# Altium PCB 4in1_ESC.PcbDoc (part 2 of 2)
Units mm, origin at the board's own origin, x right, y up, seen from the top; angles counter-clockwise.
Board outline 33 x 33 mm, 6 copper layers (Top Layer, VBAT, Layer 3, Layer 4, GND, Bottom Layer), stack 0.816 mm thick; 176 components, 154 nets, 767 pads, 335 vias.
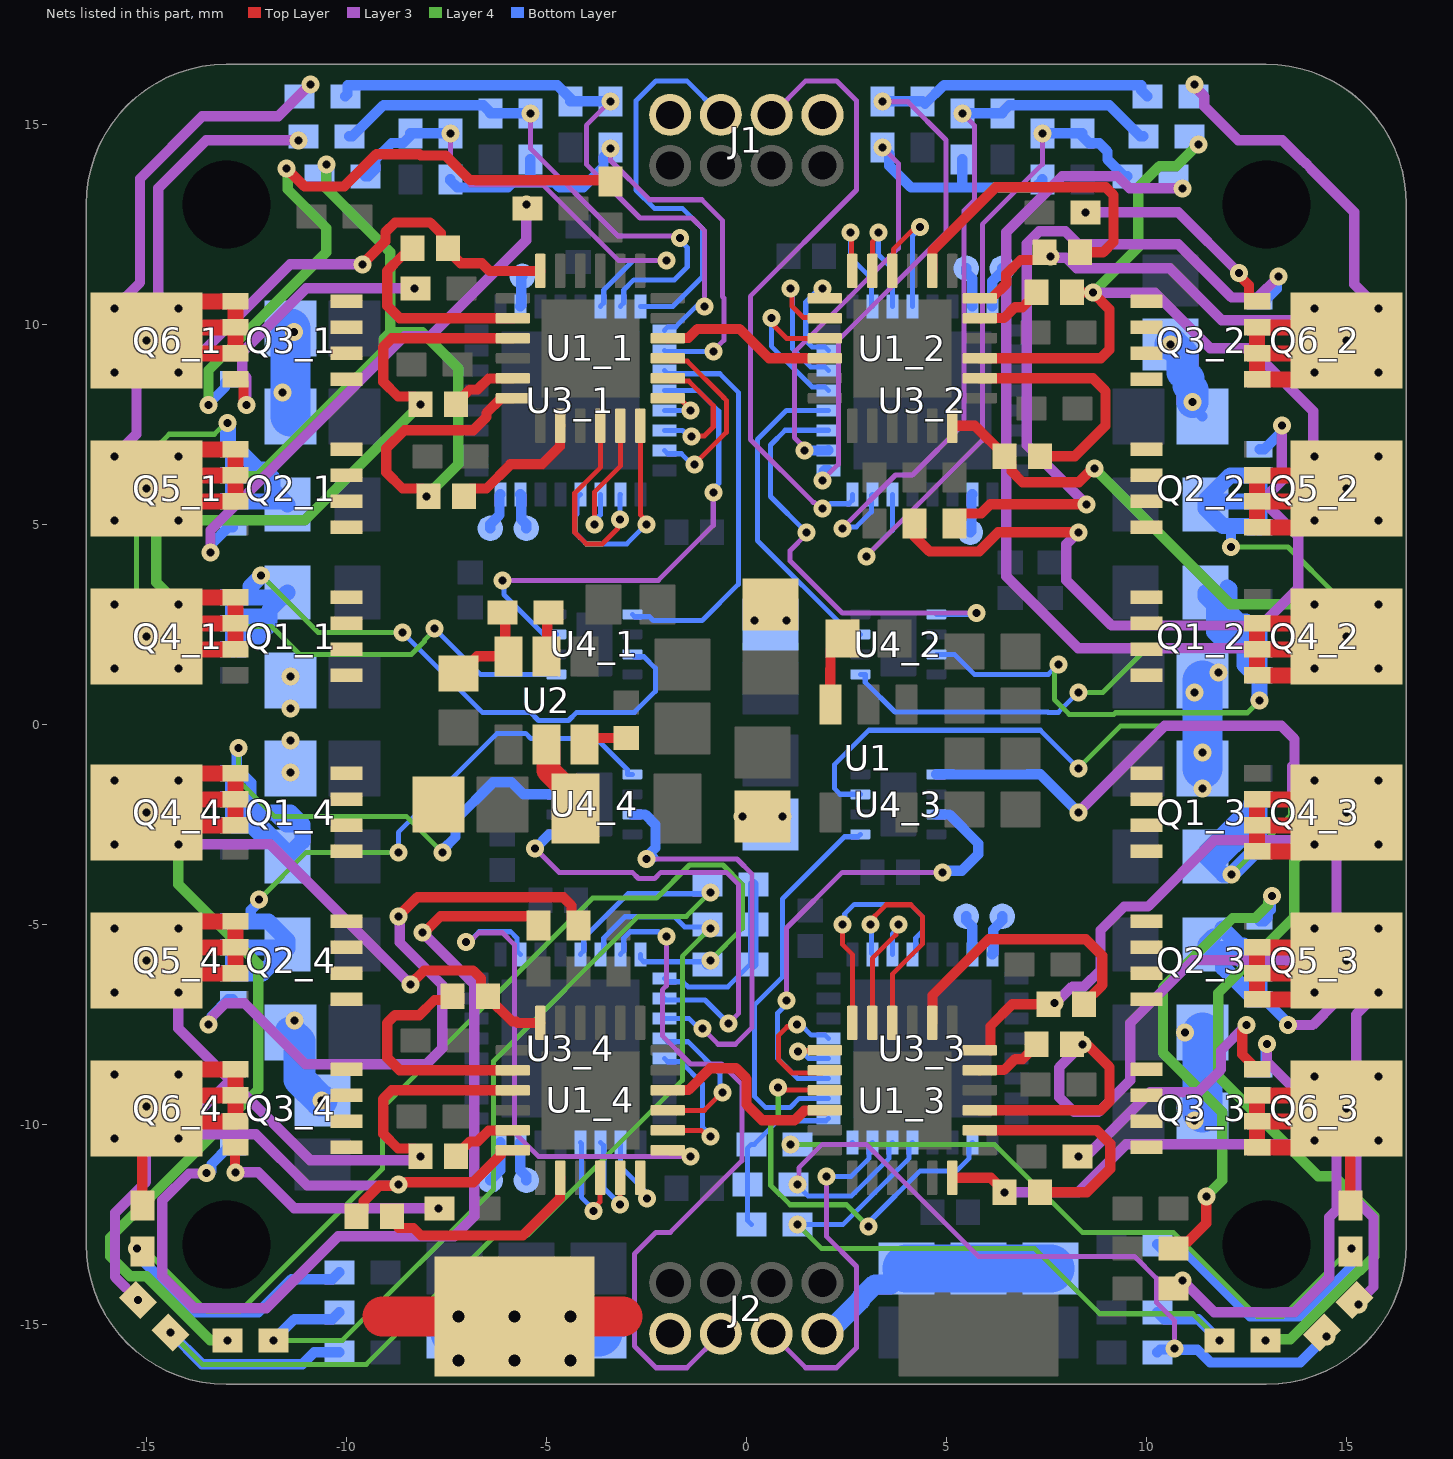
[diagram p6: the nets of this part, all layers, seen from the top]

## Via types
v1: diameter 0.45, hole 0.2, Top Layer to Bottom Layer, tented both sides, 323 vias
v2: diameter 0.6, hole 0.3, Top Layer to Bottom Layer, tented both sides, 12 vias

## Nets (pads, with @x,y where several pads share a name; then routed paths per layer and width w, separated by ;. In a path a pad name is that pad's centre, name@x,y a point inside that pad or via, vN(x,y) a via of type N, cw(c..) or ccw(c..) an arc to the next point about the centre after c; other vN are vias at no path point) (continued)
GV_L1: Q5_1.4 R15_1.2 | length 13.4
  Top Layer w0.254: v1(-5.5,13) -5.5,12.925 R15_1.2@-5.475,12.9
  Layer 3 w0.254: v1(-13.4,4.3) -13.393,4.307 -13.393,4.852 -8.545,9.7 -7.9,9.7 -5.5,12.1 v1(-5.5,13)
  Bottom Layer w0.254: v1(-13.4,4.3) -13.372,4.328 -13.372,4.503 -12.95,4.925 Q5_1.4@-12.83,4.925
GV_L2: Q5_2.4 R15_2.2 | length 18.4
  Top Layer w0.254: R15_2.2@4.373,4.852 R15_2.2@4.2,5.025 4.2,4.7 4.577,4.323 5.823,4.323 6.3,4.8 v1(8.3,4.8)
  Layer 3 w0.254: v1(8.3,4.8) 8,4.5 8,3.6 9.127,2.473 12.873,2.473 13.8,3.4 13.8,4.7 13.1,5.4 13.1,5.8 13.387,6.087 v1(13.387,7.468)
  Bottom Layer w0.254: Q5_2.4@12.83,6.875 12.95,6.875 13.349,7.274 13.349,7.43 v1(13.387,7.468) v1@13.4,7.481
GV_L3: Q5_3.4 R15_3.2 | length 12.4
  Top Layer w0.254: R15_3.2@10.675,-13.1 10.848,-12.927 11.048,-12.927 11.5,-12.475 v1(11.5,-11.8)
  Layer 4 w0.254: v1(11.5,-11.8) 11.9,-11.4 11.9,-9.7 10.415,-8.215 10.415,-6.585 12.158,-4.842 12.727,-4.842 13.05,-4.519 13.05,-4.444 13.148,-4.346 v1(13.148,-4.293)
  Bottom Layer w0.254: Q5_3.4@12.83,-4.925 12.95,-4.925 13.033,-4.842 13.033,-4.722 13.11,-4.645 13.11,-4.33 v1(13.148,-4.293) v1@13.193,-4.293
GV_L4: Q5_4.4 R15_4.2 | length 16.8
  Top Layer w0.254: v1(-8.7,-4.8) -8.223,-4.323 -4.577,-4.323 -4.373,-4.527 -4.373,-4.852 R15_4.2@-4.2,-5.025
  Layer 3 w0.254: v1@-13.4,-7.5 -13.372,-7.472 -13.372,-7.327 -13.018,-6.973 -12.546,-6.973 -11.019,-8.5 -8,-8.5 -7.6,-8.1 -7.6,-6.519 -8.662,-5.457 -8.662,-4.838 v1(-8.7,-4.8)
  Bottom Layer w0.254: v1(-13.45,-7.5) -13.4,-7.5 -13.372,-7.472 -13.372,-7.297 -12.95,-6.875 Q5_4.4@-12.83,-6.875
GW_H1: Q3_1.4 R16_1.2 | length 7
  Top Layer w0.254: Q3_1.4@-12.65,8.625 -12.567,8.542 -12.567,8.114 -12.491,8.038 v1(-12.491,7.985)
  Layer 3 w0.254: v1(-12.491,7.985) -12.491,8.668 -12.6,8.777 -12.6,9.3 -11,10.9 v1(-8.3,10.9)
GW_H2: Q3_2.4 R3_2.2 | length 5.4
  Top Layer w0.254: v1(12.319,11.281) 12.319,11.228 12.567,10.98 12.567,10.658 12.65,10.575 Q3_2.4@12.77,10.575
  Layer 3 w0.254: v1(8.475,12.8) 10.8,12.8 v1(12.319,11.281)
GW_H3: Q3_3.4 R16_3.2 | length 7.2
  Top Layer w0.254: v1(12.502,-7.52) 12.502,-7.573 12.4,-7.675 12.4,-8.255 12.65,-8.505 12.65,-8.625 Q3_3.4@12.77,-8.625
  Layer 3 w0.254: v1(8.3,-10.8) 8.337,-10.762 8.538,-10.762 10.1,-9.2 11.3,-9.2 11.867,-8.633 11.867,-8.155 v1(12.502,-7.52)
GW_H4: Q3_4.4 R3_4.2 | length 6.2
  Top Layer w0.254: v1@-12.8,-11.2 -12.79,-11.19 v1@-12.785,-11.185 ; Q3_4.4@-12.77,-10.575 -12.785,-10.59 v1@-12.785,-11.185 ; v1@-12.76,-11.2 v1(-12.77,-11.21) -12.77,-11.2 v1@-12.785,-11.185 ; v1(-7.7,-12.1) R3_4.2@-7.675,-12.1
  Layer 3 w0.254: v1@-12.8,-11.2 -12.2,-11.2 -11.3,-12.1 v1(-7.7,-12.1)
GW_L1: Q6_1.4 R17_1.2 | length 17.5
  Top Layer w0.254: v1@-11.462,13.938 v1(-11.5,13.9) -11.048,13.448 -10.052,13.448 -9.248,14.252 -8.171,14.252 -8.142,14.223 -7.525,14.223 -6.91,13.608 -6.766,13.608 -6.76,13.602 -3.427,13.602 R17_1.2@-3.4,13.575
  Layer 4 w0.254: v1(-13.446,7.983) -13.446,8.854 -10.5,11.8 -10.5,12.41 -11.462,13.372 -11.462,13.862 v1(-11.5,13.9)
  Bottom Layer w0.254: v1(-13.446,7.983) -13.446,8.009 -13.033,8.422 -13.033,8.542 -12.95,8.625 Q6_1.4@-12.83,8.625
GW_L2: Q6_2.4 R13_2.2 | length 18.9
  Top Layer w0.254: R13_2.2@5.2,5.025 5.2,5.1 5.373,5.273 5.873,5.273 6.1,5.5 v1(8.5,5.5)
  Layer 3 w0.254: v1(8.5,5.5) 7.013,6.987 7.013,12.018 7.322,12.327 7.973,12.327 8.3,12 10.8,12 12.127,10.673 12.79,10.673 13.3,11.183 v1(13.3,11.2)
  Bottom Layer w0.254: Q6_2.4@12.83,10.575 12.95,10.575 13.262,10.887 13.262,11.162 v1(13.3,11.2)
GW_L3: Q6_3.4 R17_3.2 | length 11.7
  Layer 3 w0.254: v1(10.9,-13.9) 11.7,-14.7 13.7,-14.7 14.575,-13.825 14.575,-12.325 14.752,-12.148 14.752,-10.171 13.022,-8.441 v1(13.022,-7.987)
  Bottom Layer w0.254: Q6_3.4@12.95,-8.625 12.984,-8.591 12.984,-8.024 v1(13.022,-7.987)
GW_L4: Q6_4.4 R13_4.2 | length 24.4
  Top Layer w0.254: v1(-8.1,-5.2) -8.047,-5.2 -7.647,-4.8 -5.373,-4.8 -5.2,-4.973 R13_4.2@-5.2,-5.025
  Layer 3 w0.254: v1@-13.4,-11.2 -13.428,-11.228 -13.928,-11.228 -14.6,-11.9 -14.6,-13.8 -13.8,-14.6 -12,-14.6 -10.2,-12.8 -7.3,-12.8 -6.8,-12.3 -6.8,-6.5 v1(-8.1,-5.2)
  Bottom Layer w0.254: v1@-13.512,-11.212 v1(-13.497,-11.212) -13.485,-11.2 -13.4,-11.2 -13.372,-11.172 -13.372,-10.997 -12.95,-10.575 Q6_4.4@-12.83,-10.575
ISNS_U1: U3_1.11 U4_1.1 | length 10
  Bottom Layer w0.127: U4_1.1@-2.85,2.75 -2.788,2.689 -2.417,2.689 -2.324,2.596 -1.104,2.596 -0.2,3.5 -0.2,8.3 -0.663,8.763 -1.964,8.763 U3_1.11@-2.05,8.85
ISNS_U2: U3_2.11 U4_2.1 | length 11.2
  Layer 3 w0.127: v1(1.5,4.8) 1.5,4.748 1.097,4.346 1.097,4.085 2.401,2.781 v1(5.75,2.781)
  Bottom Layer w0.127: v1(1.5,4.8) 0.604,5.696 0.604,6.984 0.971,7.352 2.048,7.352 U3_2.11@2.05,7.35 ; U4_2.1@4.75,2.75 4.752,2.752 5.721,2.752 v1(5.75,2.781)
ISNS_U3: U3_3.10 U4_3.1 | length 9.9
  Bottom Layer w0.127: U3_3.10@2.05,-9.35 1.325,-9.35 1.091,-9.584 0.484,-9.584 0.2,-9.3 0.2,-7.023 0.9,-6.323 0.9,-4.367 2.456,-2.812 2.788,-2.812 U4_3.1@2.85,-2.75
ISNS_U4: U3_4.10 U4_4.1 | length 11.7
  Layer 3 w0.127: v1(-5.279,-3.106) -4.685,-3.7 -2.849,-3.7 -2.695,-3.854 -2.291,-3.854 -2.137,-3.7 -0.5,-3.7 -0.2,-4 -0.2,-7.233 v1(-0.446,-7.479)
  Bottom Layer w0.127: U3_4.10@-2.05,-6.85 -2.01,-6.89 -1.034,-6.89 v1(-0.446,-7.479)
  Bottom Layer w0.254: v1@-5.294,-3.106 v1(-5.279,-3.106) -4.926,-2.752 -4.752,-2.752 U4_4.1@-4.75,-2.75
ISNS_V1: U3_1.12 U4_1.7 | length 12.4
  Layer 3 w0.127: v1(-6.1,3.6) -2.2,3.6 -0.826,4.974 v1(-0.826,5.799)
  Bottom Layer w0.127: v1(-6.1,3.6) -6.062,3.562 -6.062,3.243 -5.071,2.252 -4.752,2.252 U4_1.7@-4.75,2.25 ; U3_1.12@-2.05,8.35 -1.211,8.35 -0.689,7.828 -0.689,6.024 -0.826,5.886 v1(-0.826,5.799)
ISNS_V2: U3_2.12 U4_2.7 | length 8.1
  Bottom Layer w0.127: U3_2.12@2.05,7.85 1.007,7.85 0.277,7.12 0.277,4.594 2.559,2.312 2.788,2.312 U4_2.7@2.85,2.25
ISNS_V3: U3_3.11 U4_3.7 | length 12
  Layer 3 w0.127: v1(1.007,-6.906) 1.007,-5.093 2.4,-3.7 v1(4.9,-3.7)
  Bottom Layer w0.127: v1@1.013,-6.9 v1(1.007,-6.906) 1.007,-6.993 0.784,-7.216 0.784,-8.356 1.278,-8.85 U3_3.11@2.05,-8.85
  Bottom Layer w0.254: U4_3.7@4.75,-2.25 4.752,-2.252 5.071,-2.252 5.8,-2.981 5.8,-3.247 5.384,-3.662 4.938,-3.662 v1(4.9,-3.7)
ISNS_V4: U3_4.11 U4_4.7 | length 11.1
  Layer 3 w0.127: v1(-2.493,-3.365) -0.235,-3.365 0.147,-3.747 0.147,-7.577 -0.274,-7.998 -0.702,-7.998 v1(-1.1,-7.6)
  Bottom Layer w0.127: U3_4.11@-2.05,-7.35 -1.437,-7.35 -1.187,-7.6 v1(-1.1,-7.6)
  Bottom Layer w0.254: U4_4.7@-2.85,-2.25 -2.848,-2.252 -2.529,-2.252 -2.273,-2.508 -2.273,-3.092 -2.493,-3.312 v1(-2.493,-3.365) -2.455,-3.328 v1@-2.328,-3.328
NetC1_1_1: C1_1.1 U1_1.14 | length 5
  Top Layer w0.254: C1_1.1@-8.34,11.9 -8.34,11.88 -8.513,11.707 -8.605,11.707 -8.977,11.335 -8.977,10.465 -8.662,10.15 U1_1.14@-5.835,10.15
NetC1_2_1: C1_2.1 U1_2.14 | length 6.1
  Top Layer w0.254: U1_2.14@5.835,8.65 8.662,8.65 8.977,8.335 8.977,7.465 8.212,6.7 C1_2.1@7.34,6.7
NetC1_3_1: C1_3.1 U1_3.14 | length 6
  Top Layer w0.254: U1_3.14@5.835,-10.15 8.762,-10.15 9.1,-10.488 9.1,-11.112 8.512,-11.7 C1_3.1@7.34,-11.7
NetC1_4_1: C1_4.1 U1_4.14 | length 6.1
  Top Layer w0.254: C1_4.1@-7.34,-6.8 -7.433,-6.893 -7.793,-6.893 -8.173,-7.273 -8.785,-7.273 -8.977,-7.465 -8.977,-8.335 -8.662,-8.65 U1_4.14@-5.835,-8.65
NetC2_1_1: C2_1.1 U1_1.17 | length 1.7
  Top Layer w0.254: C2_1.1@-7.26,8 -7.26,8.02 -6.907,8.373 -6.715,8.373 -6.446,8.642 -5.843,8.642 U1_1.17@-5.835,8.65
NetC2_2_1: C2_2.1 U1_2.17 | length 1.7
  Top Layer w0.254: U1_2.17@5.835,10.15 5.843,10.158 6.446,10.158 6.715,10.427 6.907,10.427 7.26,10.78 C2_2.1@7.26,10.8
NetC2_3_1: C2_3.1 U1_3.17 | length 1.7
  Top Layer w0.254: U1_3.17@5.835,-8.65 5.843,-8.642 6.446,-8.642 6.715,-8.373 6.907,-8.373 7.26,-8.02 C2_3.1@7.26,-8
NetC2_4_1: C2_4.1 U1_4.17 | length 1.7
  Top Layer w0.254: C2_4.1@-7.26,-10.78 -6.907,-10.427 -6.715,-10.427 -6.446,-10.158 -5.843,-10.158 U1_4.17@-5.835,-10.15
NetC3_1_1: C3_1.1 U1_1.20 | length 3.5
  Top Layer w0.254: C3_1.1@-7.06,5.7 -7.06,5.72 -6.887,5.893 -6.495,5.893 -5.9,6.488 -5.9,6.5 -5.107,6.5 -4.658,6.949 -4.658,7.457 U1_1.20@-4.65,7.465
NetC3_2_1: C3_2.1 U1_2.20 | length 7.9
  Top Layer w0.254: U1_2.20@4.65,11.335 4.658,11.343 4.658,11.851 6.234,13.427 8.985,13.427 9.177,13.235 9.177,12.056 8.921,11.8 C3_2.1@8.34,11.8
NetC3_3_1: C3_3.1 U1_3.20 | length 7.1
  Top Layer w0.254: U1_3.20@4.65,-7.465 4.658,-7.457 4.658,-6.769 6.054,-5.373 8.485,-5.373 8.9,-5.788 8.9,-6.52 8.44,-6.98 C3_3.1@8.44,-7
NetC3_4_1: C3_4.1 U1_4.20 | length 5.4
  Top Layer w0.254: C3_4.1@-8.86,-12.3 -8.687,-12.473 -8.687,-12.593 -8.319,-12.593 -8.132,-12.78 -5.587,-12.78 -4.658,-11.851 -4.658,-11.343 U1_4.20@-4.65,-11.335
NetC10_1: C10.1 U2.6 | length 1.1
  Top Layer w0.254: U2.6@-4.05,-0.5 -3.89,-0.34 C10.1@-3,-0.34
NetL1_1: L1.1 U2.5 | length 1.9
  Top Layer w0.6: U2.5@-5,-0.5 -4.95,-0.55 -4.95,-1.157 -4.582,-1.525 -4.575,-1.525 -4.275,-1.825 L1.1@-4.275,-2.1
NetR2_1: R2.1 U1.3 | length 1.8
  Top Layer w0.254: U1.3@2.1,0.5 2.1,1.381 2.102,1.383 2.102,1.852 R2.1@2.4,2.15
NetR4_2: R4.2 U2.2 | length 1.1
  Top Layer w0.254: U2.2@-5,1.7 -4.975,1.725 -4.975,2.775 R4.2@-4.95,2.8
NetTP3_1_1: TP3_1.1 U3_1.2 | length 0.8
  Bottom Layer w0.254: U3_1.2@-5.65,10.45 -5.627,10.473 -5.627,11.173 TP3_1.1@-5.6,11.2
NetTP3_2_1: TP3_2.1 U3_2.2 | length 1
  Bottom Layer w0.254: TP3_2.1@5.6,4.8 5.627,4.827 5.627,5.727 U3_2.2@5.65,5.75
OUT_U1: C3_1.2 pad.1@-15,2.2 Q1_1.1 Q1_1.2 Q1_1.3 Q4_1.5 Q4_1.6 Q4_1.7 Q4_1.8 R5_1.2 U1_1.18 | length 34.8
  Top Layer w0.254: C3_1.2@-7.94,5.7 -7.94,5.72 -8.113,5.893 -8.593,5.893 -9,6.3 -9,6.9 -8.547,7.353 -6.825,7.353 -6.497,7.68 -6.497,7.783 -6.13,8.15 U1_1.18@-5.835,8.15
  Top Layer w0.4: pad.1@-14.675,2.525 v1(-14.2,3) -14.025,3.175 Q1_1.1@-12.77,3.175 Q1_1.2@-12.77,2.525 ; pad.1@-14.675,2.525 v1(-15,2.2) -14.675,1.875 Q1_1.3@-12.77,1.875 Q1_1.2@-12.77,2.525 ; pad.1@-14.675,2.525 Q1_1.2@-12.77,2.525
  Layer 4 w0.254: v1(-14.2,3) -14.752,3.552 -14.752,5.329 -14.6,5.481 -14.6,5.5 -13.9,6.2 -12.2,6.2 -9.073,9.327 -9.073,9.627 -8.9,9.8 ; v1(-10.5,14) -10.5,13.4 -8.9,11.8 -8.9,9.8 ; v1(-8,5.7) -7.2,6.5 -7.2,8.9 -8.1,9.8 -8.9,9.8
  other v1: -15.8,1.4 -14.2,1.4 -15.8,3
OUT_U2: C1_2.2 pad.1@15,2.2 Q1_2.1 Q1_2.2 Q1_2.3 Q4_2.5 Q4_2.6 Q4_2.7 Q4_2.8 R5_2.2 U1_2.12 | length 41.8
  Top Layer w0.254: U1_2.12@5.15,7.465 5.715,7.465 6.46,6.72 C1_2.2@6.46,6.7 6.633,6.527 6.633,6.325 6.905,6.053 8.314,6.053 8.66,6.4 v1(8.7,6.4)
  Top Layer w0.4: Q1_2.2@12.77,1.875 pad.1@14.675,1.875 ; Q1_2.2@12.77,1.875 Q1_2.3@12.77,2.525 14.025,2.525 pad.1@14.675,1.875 ; Q1_2.2@12.77,1.875 Q1_2.1@12.77,1.225 14.675,1.225 15,1.55 pad.1@14.675,1.875
  Layer 3 w0.254: v1(10.9,13.4) 9.58,13.4 9.28,13.7 7.9,13.7 6.5,12.3 6.5,3.7 8.3,1.9 13.8,1.9 v1@14.2,1.5
  Layer 4 w0.254: v1(8.7,6.4) 12.1,3 v1(14.2,3)
  other v1: 14.2,1.4 15.8,1.4 15,2.2 15.8,3
OUT_U3: C3_3.2 pad.1@15,-2.2 Q1_3.1 Q1_3.2 Q1_3.3 Q4_3.5 Q4_3.6 Q4_3.7 Q4_3.8 R5_3.2 U1_3.18 | length 36.3
  Top Layer w0.254: U1_3.18@6.13,-8.15 6.112,-8.15 6.104,-8.142 6.104,-7.545 6.649,-7 C3_3.2@7.56,-7 7.596,-6.964 v1(7.707,-6.964)
  Top Layer w0.4: Q1_3.2@12.77,-2.525 pad.1@14.675,-2.525 ; Q1_3.2@12.77,-2.525 Q1_3.3@12.77,-1.875 14.025,-1.875 pad.1@14.675,-2.525 ; Q1_3.2@12.77,-2.525 Q1_3.1@12.77,-3.175 14.675,-3.175 15,-2.85 pad.1@14.675,-2.525
  Layer 3 w0.254: v1(7.707,-6.964) 7.74,-6.964 8.152,-6.552 8.448,-6.552 8.853,-6.147 8.853,-5.147 9.446,-4.554 10.046,-4.554 11.7,-2.9 v1@14.2,-2.9
  Layer 4 w0.254: v1(12.975,-15.4) 13.003,-15.372 13.6,-15.372 15.32,-13.652 15.356,-13.652 15.7,-13.308 15.7,-12.3 14.7,-11.3 14.3,-11.3 11.8,-8.8 11.8,-6.719 13.7,-4.819 13.7,-3.4 v1@14.2,-2.9
  other v1: 14.2,-3 15.8,-3 15,-2.2 14.2,-1.4 15.8,-1.4
OUT_U4: C1_4.2 pad.1@-15,-2.2 Q1_4.1 Q1_4.2 Q1_4.3 Q4_4.5 Q4_4.6 Q4_4.7 Q4_4.8 R5_4.2 U1_4.12 | length 36
  Top Layer w0.254: v1(-8.4,-6.5) -8.053,-6.153 -6.829,-6.153 -6.633,-6.349 -6.633,-6.627 C1_4.2@-6.46,-6.8 -6.46,-6.82 -5.851,-7.429 -5.751,-7.429 -5.715,-7.465 U1_4.12@-5.15,-7.465
  Top Layer w0.4: pad.1@-14.675,-1.875 v1(-14.2,-1.4) -14.025,-1.225 Q1_4.1@-12.77,-1.225 Q1_4.2@-12.77,-1.875 ; pad.1@-14.675,-1.875 v1(-15,-2.2) -14.675,-2.525 Q1_4.3@-12.77,-2.525 Q1_4.2@-12.77,-1.875 ; pad.1@-14.675,-1.875 Q1_4.2@-12.77,-1.875
  Layer 3 w0.254: v1(-14.2,-3) -11.9,-3 v1(-8.4,-6.5)
  Layer 4 w0.254: v1(-14.2,-3) -14.2,-4 -12.2,-6 -12.2,-9.131 -15.9,-12.831 -15.9,-13.3 -15.4,-13.8 -15,-13.8 -13.4,-15.4 v1(-12.975,-15.4)
  other v1: -15.8,-3 -15.8,-1.4
OUT_V1: C2_1.2 pad.3@-15,5.9 Q2_1.1 Q2_1.2 Q2_1.3 Q5_1.5 Q5_1.6 Q5_1.7 Q5_1.8 R7_1.2 U1_1.15 | length 32.3
  Top Layer w0.254: v1(-8.14,8) -8.14,8.02 -8.313,8.193 -8.705,8.193 -9.077,8.565 -9.077,9.435 -8.862,9.65 U1_1.15@-5.835,9.65
  Top Layer w0.4: pad.3@-14.675,6.225 v1(-14.2,6.7) -14.025,6.875 Q2_1.1@-12.77,6.875 Q2_1.2@-12.77,6.225 ; pad.3@-14.675,6.225 Q2_1.2@-12.77,6.225 ; pad.3@-14.675,6.225 v1(-15,5.9) -14.675,5.575 Q2_1.3@-12.77,5.575 Q2_1.2@-12.77,6.225
  Layer 3 w0.254: v1(-15.8,6.7) -15.248,7.252 -15.248,9.029 -15.527,9.308 -15.527,9.346 -15.552,9.371 -15.552,9.848 -14.7,10.7 -14.7,13.4 -13.5,14.6 v1(-11.2,14.6)
  Layer 4 w0.254: v1(-14.2,5.1) -11.04,5.1 v1(-8.14,8)
  other v1: -15.8,5.1
OUT_V2: C2_2.2 pad.2@15,5.9 Q2_2.1 Q2_2.2 Q2_2.3 Q5_2.5 Q5_2.6 Q5_2.7 Q5_2.8 R7_2.2 U1_2.15 | length 26.6
  Top Layer w0.254: U1_2.15@5.835,9.15 8.862,9.15 9.077,9.365 9.077,10.378 v1(8.665,10.79) 8.66,10.795 8.145,10.795 C2_2.2@8.14,10.8
  Top Layer w0.4: Q2_2.2@12.77,5.575 pad.2@14.675,5.575 ; Q2_2.2@12.77,5.575 Q2_2.3@12.77,6.225 14.025,6.225 pad.2@14.675,5.575 ; Q2_2.2@12.77,5.575 Q2_2.1@12.77,4.925 14.675,4.925 15,5.25 pad.2@14.675,5.575
  Layer 3 w0.254: v1(8.665,10.79) 10.21,10.79 11.6,9.4 12.6,9.4 14.172,7.828 14.172,6.728 v1(14.2,6.7)
  Layer 4 w0.254: v1(8.665,10.79) 9.8,11.925 9.8,13.425 10.327,13.952 10.752,13.952 v1(11.3,14.5)
  other v1: 14.2,5.1 15.8,5.1 15,5.9 15.8,6.7
OUT_V3: C2_3.2 pad.2@15,-5.9 Q2_3.1 Q2_3.2 Q2_3.3 Q5_3.5 Q5_3.6 Q5_3.7 Q5_3.8 R7_3.2 U1_3.15 | length 33.2
  Top Layer w0.254: U1_3.15@5.835,-9.65 8.862,-9.65 9.077,-9.435 9.077,-8.565 8.795,-8.282 v1@8.512,-8 ; v1(8.4,-8) C2_3.2@8.14,-8 v1@8.491,-8
  Top Layer w0.4: Q2_3.2@12.77,-6.225 pad.2@14.675,-6.225 ; Q2_3.2@12.77,-6.225 Q2_3.1@12.77,-6.875 14.675,-6.875 15,-6.55 pad.2@14.675,-6.225 ; Q2_3.2@12.77,-6.225 Q2_3.3@12.77,-5.575 14.025,-5.575 pad.2@14.675,-6.225
  Layer 3 w0.254: v1(8.4,-8) 7.823,-8.577 7.823,-9.323 8.195,-9.695 8.805,-9.695 9.6,-8.9 9.6,-7.466 11.166,-5.9 13.5,-5.9 v1@14.2,-6.6 ; v1(15.3,-14.5) 15.3,-14.447 15.679,-14.068 15.679,-12.335 15.248,-11.904 15.248,-10.171 15.552,-9.867 15.552,-9.333 15.248,-9.029 15.248,-7.252 v1(15.8,-6.7)
  other v1: 14.2,-6.7 15,-5.9 14.2,-5.1 15.8,-5.1
OUT_V4: C2_4.2 pad.2@-15,-5.9 Q2_4.1 Q2_4.2 Q2_4.3 Q5_4.5 Q5_4.6 Q5_4.7 Q5_4.8 R7_4.2 U1_4.15 | length 29.3
  Top Layer w0.254: v1(-8.14,-10.8) -8.14,-10.78 -8.313,-10.607 -8.706,-10.607 -9.077,-10.235 -9.077,-9.365 -8.863,-9.15 U1_4.15@-5.835,-9.15
  Top Layer w0.4: pad.2@-14.675,-5.575 v1(-14.2,-5.1) -14.025,-4.925 Q2_4.1@-12.77,-4.925 Q2_4.2@-12.77,-5.575 ; pad.2@-14.675,-5.575 v1(-15,-5.9) -14.675,-6.225 Q2_4.3@-12.77,-6.225 Q2_4.2@-12.77,-5.575 ; pad.2@-14.675,-5.575 Q2_4.2@-12.77,-5.575
  Layer 3 w0.254: v1(-15.207,-14.393) -15.779,-13.821 -15.779,-12.21 -15.005,-11.435 -15.005,-10.374 -14.231,-9.6 -13.6,-9.6 -12.9,-8.9 ; v1@-14.2,-6.6 -14.2,-7.6 -12.9,-8.9 ; v1(-8.14,-10.8) -8.193,-10.8 -8.293,-10.9 -10.9,-10.9 -12.9,-8.9
  other v1: -15.8,-6.7 -14.2,-6.7 -15.8,-5.1
OUT_W1: C1_1.2 pad.3@-15,9.6 Q3_1.1 Q3_1.2 Q3_1.3 Q6_1.5 Q6_1.6 Q6_1.7 Q6_1.8 R9_1.2 U1_1.12 | length 28.4
  Top Layer w0.254: v1(-9.6,11.5) -9.023,12.077 -9.023,12.299 -8.775,12.547 -7.905,12.547 -7.633,12.275 -7.633,12.073 C1_1.2@-7.439,11.879 ; C1_1.2@-7.46,11.9 -7.287,11.727 -7.287,11.676 -7.138,11.527 -6.615,11.527 -6.423,11.335 U1_1.12@-5.15,11.335
  Top Layer w0.4: pad.3@-14.675,9.925 v1(-14.2,10.4) -14.025,10.575 Q3_1.1@-12.77,10.575 Q3_1.2@-12.77,9.925 ; pad.3@-14.675,9.925 v1(-15,9.6) -14.675,9.275 Q3_1.3@-12.77,9.275 Q3_1.2@-12.77,9.925 ; pad.3@-14.675,9.925 Q3_1.2@-12.77,9.925
  Layer 3 w0.254: v1(-15.8,10.4) -15.154,11.046 -15.154,13.646 -13.6,15.2 -11.7,15.2 v1(-10.9,16) ; v1(-14.2,8.8) -14.147,8.8 -14.049,8.898 -14.002,8.898 -11.4,11.5 v1(-9.6,11.5)
  other v1: -15.8,8.8
OUT_W2: C3_2.2 pad.3@15,9.6 Q3_2.1 Q3_2.2 Q3_2.3 Q6_2.5 Q6_2.6 Q6_2.7 Q6_2.8 R9_2.2 U1_2.18 | length 26.3
  Top Layer w0.254: U1_2.18@5.835,10.65 5.843,10.658 6.138,10.658 6.497,11.017 6.497,11.251 6.853,11.607 7.287,11.607 7.46,11.78 C3_2.2@7.46,11.8 ; C3_2.2@7.58,11.68 C3_2.2@7.46,11.8 ; v1(7.6,11.7) 7.56,11.7 C3_2.2@7.46,11.8
  Top Layer w0.4: Q3_2.2@12.77,9.275 pad.3@14.675,9.275 ; Q3_2.2@12.77,9.275 Q3_2.1@12.77,8.625 14.675,8.625 15,8.95 pad.3@14.675,9.275 ; Q3_2.2@12.77,9.275 Q3_2.3@12.77,9.925 14.025,9.925 pad.3@14.675,9.275
  Layer 3 w0.254: v1(7.6,11.7) 7.638,11.662 7.995,11.662 8.258,11.4 10.587,11.4 11.887,10.1 13.9,10.1 v1(14.2,10.4) ; v1(11.2,16) 11.2,15.947 11.448,15.699 11.448,15.452 12.3,14.6 13.4,14.6 13.865,14.135 cw(c13,13) 14.135,13.865 15.2,12.8 15.2,11 v1(15.8,10.4)
  other v1: 14.2,8.8 15.8,8.8 15,9.6
OUT_W3: C1_3.2 pad.3@15,-9.6 Q3_3.1 Q3_3.2 Q3_3.3 Q6_3.5 Q6_3.6 Q6_3.7 Q6_3.8 R9_3.2 U1_3.12 | length 20.6
  Top Layer w0.254: U1_3.12@5.15,-11.335 6.115,-11.335 6.46,-11.68 v1(6.46,-11.7) ; v1(15,-9.6) 15.1,-9.7 15.1,-10.25 R9_3.2@15.1,-12.025
  Top Layer w0.4: Q3_3.2@12.77,-9.925 pad.3@14.675,-9.925 ; Q3_3.2@12.77,-9.925 Q3_3.3@12.77,-9.275 14.025,-9.275 pad.3@14.675,-9.925 ; Q3_3.2@12.77,-9.925 Q3_3.1@12.77,-10.575 14.2,-10.575 14.675,-10.575 15,-10.25 pad.3@14.675,-9.925
  Layer 3 w0.254: v1(6.46,-11.7) 8.3,-11.7 9.5,-10.5 13.978,-10.5 14.178,-10.3 v1@14.2,-10.3
  Bottom Layer w0.254: v1(15,-9.6) 15,-9.639 v1@15.1,-9.74
  other v1: 14.2,-10.4 15.8,-10.4 14.2,-8.8 15.8,-8.8
OUT_W4: C3_4.2 pad.3@-15,-9.6 Q3_4.1 Q3_4.2 Q3_4.3 Q6_4.5 Q6_4.6 Q6_4.7 Q6_4.8 R9_4.2 U1_4.18 | length 21.8
  Top Layer w0.254: pad.3@-15.8,-10.25 pad.3@-15.6,-10.45 ; R9_4.2@-15.1,-12.025 -15.1,-9.65 v1(-15,-9.55) ; C3_4.2@-9.74,-12.3 -9.567,-12.127 -9.567,-11.925 -9.18,-11.538 -8.738,-11.538 v1@-8.673,-11.473 ; v1(-8.7,-11.5) -8.662,-11.462 -8.524,-11.462 -8.508,-11.447 -7.832,-11.447 -6.825,-11.447 -6.138,-10.76 -6.138,-10.658 -6.13,-10.65 U1_4.18@-5.835,-10.65
  Top Layer w0.4: pad.3@-14.675,-9.275 -14.175,-8.775 -14.025,-8.625 Q3_4.1@-12.77,-8.625 Q3_4.2@-12.77,-9.275 ; pad.3@-14.675,-9.275 -14.975,-9.575 pad.3@-15,-9.6 -14.675,-9.925 Q3_4.3@-12.77,-9.925 Q3_4.2@-12.77,-9.275 ; pad.3@-14.675,-9.275 Q3_4.2@-12.77,-9.275
  Layer 3 w0.254: v1@-14.2,-10.25 -12.261,-10.25 -10.985,-11.527 -8.727,-11.527 v1(-8.7,-11.5)
  other v1: -15.8,-10.35 -14.2,-10.35 -15.8,-8.75 -14.2,-8.75
PWM_1N1: U1_1.1 U3_1.13 | length 1.4
  Top Layer w0.127: U1_1.1@-1.965,8.15 -1.67,8.15 -1.4,7.88 v1(-1.4,7.848)
  Bottom Layer w0.127: U3_1.13@-2.05,7.85 U3_1.13@-2.05,7.85 -1.401,7.849 v1(-1.4,7.848)
PWM_1N2: U1_2.3 U3_2.13 | length 4.2
  Top Layer w0.127: v1@0.6,10.1 0.6,10.056 1.006,9.65 U1_2.3@1.965,9.65
  Bottom Layer w0.127: v1@0.625,10.175 v1(0.625,10.16) 0.625,9.452 1.641,8.436 1.963,8.436 U3_2.13@2.05,8.35
PWM_1N3: U1_3.1 U3_3.12 | length 1.5
  Top Layer w0.127: v1(1.293,-8.174) 1.306,-8.162 1.953,-8.162 U1_3.1@1.965,-8.15
  Bottom Layer w0.127: v1(1.293,-8.174) 1.381,-8.174 1.556,-8.35 U3_3.12@2.05,-8.35
PWM_1N4: U1_4.3 U3_4.12 | length 3.8
  Top Layer w0.127: U1_4.3@-1.965,-9.65 -1.05,-9.65 v1(-0.6,-9.2)
  Bottom Layer w0.127: U3_4.12@-2.05,-7.85 -1.963,-7.936 -1.454,-7.936 -0.662,-8.729 -0.662,-9.138 v1(-0.6,-9.2)
PWM_1P1: U1_1.22 U3_1.18 | length 5.2
  Top Layer w0.127: U1_1.22@-3.65,7.465 -3.65,6.416 -4.289,5.778 -4.289,4.798 -4.002,4.511 -3.598,4.511 -3.223,4.886 -3.223,5.057 v1(-3.161,5.119)
  Bottom Layer w0.127: v1(-3.161,5.119) -3.155,5.124 -3.155,5.745 U3_1.18@-3.15,5.75
PWM_1P2: U1_2.24 U3_2.18 | length 3.1
  Top Layer w0.127: v1(2.6,12.3) 2.625,12.275 2.625,11.36 U1_2.24@2.65,11.335
  Bottom Layer w0.127: v1(2.6,12.3) 2.6,11.673 3.134,11.139 3.134,10.466 U3_2.18@3.15,10.45
PWM_1P3: U1_3.22 U3_3.18 | length 5.4
  Top Layer w0.127: v1(3.1,-5) 3.1,-4.913 3.211,-4.801 3.211,-4.798 3.498,-4.511 4.112,-4.511 4.4,-4.8 4.4,-5.496 3.65,-6.246 U1_3.22@3.65,-7.465